# Altium PCB PCB.pcbdoc (part 6 of 6)
Units mil, origin at the board's own origin, x right, y up, seen from the top; angles counter-clockwise.
Board outline 12030 x 6651.89 mil, 2 copper layers (Top Layer, Bottom Layer); 4 components, 257 nets, 480 pads, 2 vias.
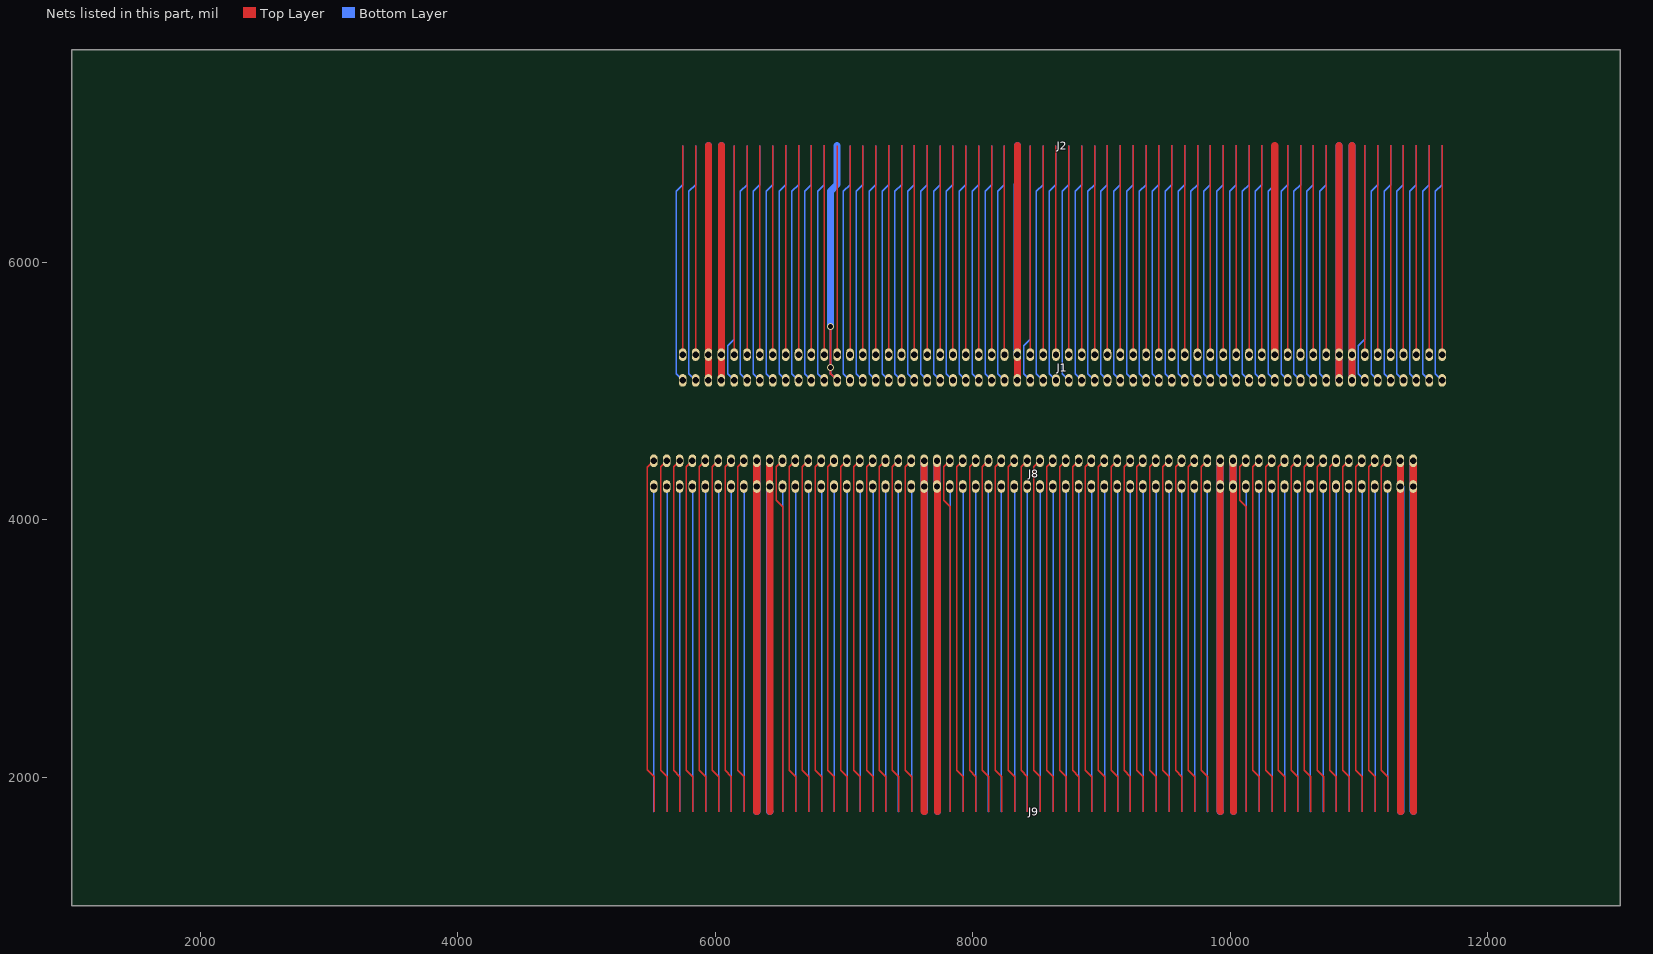
[diagram p6: the nets of this part, all layers, seen from the top]

## Footprints (in the part's own frame and the unit in brackets; to place one, negate y for a bottom-side part, rotate by r counter-clockwise, add the part's x,y. Pads: shape width x height; smd on the part's side, far side on the other; paste and mask are expansions set on the pad) (continued)
I/O_EDGE_CONNECTOR [mil] (continued)
  Bottom Layer region: -2548.35,213.05 -2549.98,213.09 -2549.98,213.09 -2551.62,213.05 -2551.62,213.05 -2553.25,212.93 -2553.25,212.93 -2554.87,212.73 -2554.87,212.73 -2556.49,212.45 -2556.49,212.45 -2558.08,212.09 -2558.08,212.09 -2559.66,211.66 -2559.66,211.66 -2561.21,211.14 -2561.21,211.14 -2562.74,210.56 -2562.74,210.56 -2564.24,209.9 -2564.24,209.9 -2565.7,209.16 -2565.7,209.16 -2567.12,208.36 -2567.12,208.36 -2568.51,207.48 -2568.51,207.48 -2569.85,206.55 -2569.85,206.55 -2571.14,205.54 -2571.14,205.54 -2572.38,204.48 -2572.38,204.48 -2573.57,203.35 -2573.57,203.35 -2574.7,202.17 -2574.7,202.17 -2575.77,200.93 -2575.77,200.93 -2576.78,199.64 -2576.78,199.64 -2577.72,198.31 -2577.72,198.31 -2578.6,196.93 -2578.6,196.93 -2579.41,195.51 -2579.41,195.51 -2580.16,194.05 -2580.16,194.05 -2580.82,192.56 -2580.82,192.56 -2581.42,191.03 -2581.42,191.03 -2581.94,189.48 -2581.94,189.48 -2582.38,187.9 -2582.38,187.9 -2582.74,186.31 -2582.74,186.31 -2583.03,184.7 -2583.03,184.7 -2583.24,183.08 -2583.24,183.08 -2583.37,181.45 -2583.37,181.45 -2583.41,179.84 -2583.41,179.84 -2583.44,179.84 -2583.44,179.84 -2583.44,-213.86 -2583.44,-213.86 -2516.51,-213.86 -2516.51,-213.86 -2516.51,179.84 -2516.51,179.84 -2516.57,181.48 -2516.57,181.48 -2516.69,183.11 -2516.69,183.11 -2516.9,184.73 -2516.9,184.73 -2517.19,186.34 -2517.19,186.34 -2517.56,187.94 -2517.56,187.94 -2518,189.51 -2518,189.51 -2518.52,191.06 -2518.52,191.06 -2519.12,192.58 -2519.12,192.58 -2519.79,194.08 -2519.79,194.08 -2520.53,195.53 -2520.53,195.53 -2521.34,196.95 -2521.34,196.95 -2522.22,198.33 -2522.22,198.33 -2523.17,199.67 -2523.17,199.67 -2524.18,200.95 -2524.18,200.95 -2525.26,202.19 -2525.26,202.19 -2526.39,203.37 -2526.39,203.37 -2527.58,204.49 -2527.58,204.49 -2528.82,205.56 -2528.82,205.56 -2530.11,206.56 -2530.11,206.56 -2531.45,207.5 -2531.45,207.5 -2532.84,208.38 -2532.84,208.38 -2534.26,209.18 -2534.26,209.18 -2535.72,209.91 -2535.72,209.91 -2537.22,210.57 -2537.22,210.57 -2538.75,211.16 -2538.75,211.16 -2540.3,211.67 -2540.3,211.67 -2541.88,212.1 -2541.88,212.1 -2543.48,212.46 -2543.48,212.46 -2545.09,212.74 -2545.09,212.74 -2546.71,212.94 -2546.71,212.94
  Bottom Layer region: -2448.37,212.74 -2450.01,212.78 -2450.01,212.78 -2451.64,212.74 -2451.64,212.74 -2453.28,212.62 -2453.28,212.62 -2454.9,212.42 -2454.9,212.42 -2456.51,212.14 -2456.51,212.14 -2458.11,211.78 -2458.11,211.78 -2459.69,211.34 -2459.69,211.34 -2461.24,210.83 -2461.24,210.83 -2462.77,210.24 -2462.77,210.24 -2464.26,209.58 -2464.26,209.58 -2465.73,208.85 -2465.73,208.85 -2467.15,208.04 -2467.15,208.04 -2468.54,207.17 -2468.54,207.17 -2469.88,206.23 -2469.88,206.23 -2471.16,205.23 -2471.16,205.23 -2472.41,204.16 -2472.41,204.16 -2473.59,203.03 -2473.59,203.03 -2474.72,201.85 -2474.72,201.85 -2475.8,200.62 -2475.8,200.62 -2476.81,199.33 -2476.81,199.33 -2477.75,197.99 -2477.75,197.99 -2478.64,196.61 -2478.64,196.61 -2479.44,195.19 -2479.44,195.19 -2480.19,193.73 -2480.19,193.73 -2480.85,192.24 -2480.85,192.24 -2481.44,190.72 -2481.44,190.72 -2481.97,189.16 -2481.97,189.16 -2482.41,187.59 -2482.41,187.59 -2482.78,185.99 -2482.78,185.99 -2483.06,184.38 -2483.06,184.38 -2483.27,182.76 -2483.27,182.76 -2483.4,181.13 -2483.4,181.13 -2483.45,179.53 -2483.45,179.53 -2483.47,179.53 -2483.47,179.53 -2483.47,-214.18 -2483.47,-214.18 -2416.54,-214.18 -2416.54,-214.18 -2416.54,179.53 -2416.54,179.53 -2416.6,181.16 -2416.6,181.16 -2416.72,182.79 -2416.72,182.79 -2416.93,184.41 -2416.93,184.41 -2417.22,186.03 -2417.22,186.03 -2417.59,187.62 -2417.59,187.62 -2418.03,189.2 -2418.03,189.2 -2418.55,190.74 -2418.55,190.74 -2419.15,192.27 -2419.15,192.27 -2419.82,193.76 -2419.82,193.76 -2420.56,195.22 -2420.56,195.22 -2421.37,196.64 -2421.37,196.64 -2422.25,198.02 -2422.25,198.02 -2423.2,199.35 -2423.2,199.35 -2424.21,200.64 -2424.21,200.64 -2425.28,201.88 -2425.28,201.88 -2426.42,203.05 -2426.42,203.05 -2427.6,204.18 -2427.6,204.18 -2428.84,205.24 -2428.84,205.24 -2430.14,206.25 -2430.14,206.25 -2431.48,207.19 -2431.48,207.19 -2432.87,208.06 -2432.87,208.06 -2434.29,208.86 -2434.29,208.86 -2435.75,209.59 -2435.75,209.59 -2437.25,210.25 -2437.25,210.25 -2438.78,210.84 -2438.78,210.84 -2440.33,211.35 -2440.33,211.35 -2441.91,211.78 -2441.91,211.78 -2443.51,212.14 -2443.51,212.14 -2445.12,212.42 -2445.12,212.42 -2446.74,212.62 -2446.74,212.62
  Bottom Layer region: -2348.37,212.74 -2350.01,212.78 -2350.01,212.78 -2351.64,212.74 -2351.64,212.74 -2353.28,212.62 -2353.28,212.62 -2354.9,212.42 -2354.9,212.42 -2356.51,212.14 -2356.51,212.14 -2358.11,211.78 -2358.11,211.78 -2359.68,211.34 -2359.68,211.34 -2361.24,210.83 -2361.24,210.83 -2362.77,210.24 -2362.77,210.24 -2364.26,209.58 -2364.26,209.58 -2365.73,208.85 -2365.73,208.85 -2367.15,208.04 -2367.15,208.04 -2368.53,207.17 -2368.53,207.17 -2369.87,206.23 -2369.87,206.23 -2371.16,205.23 -2371.16,205.23 -2372.41,204.16 -2372.41,204.16 -2373.59,203.03 -2373.59,203.03 -2374.72,201.85 -2374.72,201.85 -2375.8,200.62 -2375.8,200.62 -2376.81,199.33 -2376.81,199.33 -2377.75,197.99 -2377.75,197.99 -2378.63,196.61 -2378.63,196.61 -2379.44,195.19 -2379.44,195.19 -2380.18,193.73 -2380.18,193.73 -2380.85,192.24 -2380.85,192.24 -2381.44,190.72 -2381.44,190.72 -2381.96,189.16 -2381.96,189.16 -2382.41,187.59 -2382.41,187.59 -2382.77,185.99 -2382.77,185.99 -2383.06,184.38 -2383.06,184.38 -2383.27,182.76 -2383.27,182.76 -2383.4,181.13 -2383.4,181.13 -2383.44,179.53 -2383.44,179.53 -2383.47,179.53 -2383.47,179.53 -2383.47,-214.18 -2383.47,-214.18 -2316.54,-214.18 -2316.54,-214.18 -2316.54,179.53 -2316.54,179.53 -2316.59,181.16 -2316.59,181.16 -2316.72,182.79 -2316.72,182.79 -2316.93,184.41 -2316.93,184.41 -2317.22,186.03 -2317.22,186.03 -2317.59,187.62 -2317.59,187.62 -2318.03,189.2 -2318.03,189.2 -2318.55,190.74 -2318.55,190.74 -2319.15,192.27 -2319.15,192.27 -2319.82,193.76 -2319.82,193.76 -2320.56,195.22 -2320.56,195.22 -2321.37,196.64 -2321.37,196.64 -2322.25,198.02 -2322.25,198.02 -2323.2,199.35 -2323.2,199.35 -2324.21,200.64 -2324.21,200.64 -2325.28,201.88 -2325.28,201.88 -2326.41,203.05 -2326.41,203.05 -2327.6,204.18 -2327.6,204.18 -2328.84,205.24 -2328.84,205.24 -2330.14,206.25 -2330.14,206.25 -2331.48,207.19 -2331.48,207.19 -2332.86,208.06 -2332.86,208.06 -2334.29,208.86 -2334.29,208.86 -2335.75,209.59 -2335.75,209.59 -2337.25,210.25 -2337.25,210.25 -2338.78,210.84 -2338.78,210.84 -2340.33,211.35 -2340.33,211.35 -2341.91,211.78 -2341.91,211.78 -2343.5,212.14 -2343.5,212.14 -2345.12,212.42 -2345.12,212.42 -2346.74,212.62 -2346.74,212.62
  Bottom Layer region: -2248.38,212.74 -2250.01,212.78 -2250.01,212.78 -2251.65,212.74 -2251.65,212.74 -2253.28,212.62 -2253.28,212.62 -2254.9,212.42 -2254.9,212.42 -2256.51,212.14 -2256.51,212.14 -2258.11,211.78 -2258.11,211.78 -2259.69,211.34 -2259.69,211.34 -2261.24,210.83 -2261.24,210.83 -2262.77,210.24 -2262.77,210.24 -2264.26,209.58 -2264.26,209.58 -2265.73,208.85 -2265.73,208.85 -2267.15,208.04 -2267.15,208.04 -2268.54,207.17 -2268.54,207.17 -2269.88,206.23 -2269.88,206.23 -2271.17,205.23 -2271.17,205.23 -2272.41,204.16 -2272.41,204.16 -2273.59,203.03 -2273.59,203.03 -2274.73,201.85 -2274.73,201.85 -2275.8,200.62 -2275.8,200.62 -2276.81,199.33 -2276.81,199.33 -2277.75,197.99 -2277.75,197.99 -2278.63,196.61 -2278.63,196.61 -2279.44,195.19 -2279.44,195.19 -2280.18,193.73 -2280.18,193.73 -2280.85,192.24 -2280.85,192.24 -2281.45,190.72 -2281.45,190.72 -2281.97,189.16 -2281.97,189.16 -2282.41,187.59 -2282.41,187.59 -2282.77,185.99 -2282.77,185.99 -2283.06,184.38 -2283.06,184.38 -2283.27,182.76 -2283.27,182.76 -2283.4,181.13 -2283.4,181.13 -2283.44,179.53 -2283.44,179.53 -2283.47,179.53 -2283.47,179.53 -2283.47,-214.18 -2283.47,-214.18 -2216.55,-214.18 -2216.55,-214.18 -2216.55,179.53 -2216.55,179.53 -2216.59,181.16 -2216.59,181.16 -2216.72,182.79 -2216.72,182.79 -2216.93,184.41 -2216.93,184.41 -2217.22,186.03 -2217.22,186.03 -2217.59,187.62 -2217.59,187.62 -2218.03,189.2 -2218.03,189.2 -2218.55,190.74 -2218.55,190.74 -2219.15,192.27 -2219.15,192.27 -2219.82,193.76 -2219.82,193.76 -2220.56,195.22 -2220.56,195.22 -2221.37,196.64 -2221.37,196.64 -2222.25,198.02 -2222.25,198.02 -2223.2,199.35 -2223.2,199.35 -2224.21,200.64 -2224.21,200.64 -2225.29,201.88 -2225.29,201.88 -2226.42,203.05 -2226.42,203.05 -2227.61,204.18 -2227.61,204.18 -2228.85,205.24 -2228.85,205.24 -2230.14,206.25 -2230.14,206.25 -2231.48,207.19 -2231.48,207.19 -2232.87,208.06 -2232.87,208.06 -2234.29,208.86 -2234.29,208.86 -2235.75,209.59 -2235.75,209.59 -2237.25,210.25 -2237.25,210.25 -2238.78,210.84 -2238.78,210.84 -2240.33,211.35 -2240.33,211.35 -2241.91,211.78 -2241.91,211.78 -2243.51,212.14 -2243.51,212.14 -2245.12,212.42 -2245.12,212.42 -2246.74,212.62 -2246.74,212.62
  Bottom Layer region: -2148.38,212.74 -2150.01,212.78 -2150.01,212.78 -2151.65,212.74 -2151.65,212.74 -2153.28,212.62 -2153.28,212.62 -2154.9,212.42 -2154.9,212.42 -2156.52,212.14 -2156.52,212.14 -2158.11,211.78 -2158.11,211.78 -2159.69,211.34 -2159.69,211.34 -2161.24,210.83 -2161.24,210.83 -2162.77,210.24 -2162.77,210.24 -2164.27,209.58 -2164.27,209.58 -2165.73,208.85 -2165.73,208.85 -2167.15,208.04 -2167.15,208.04 -2168.54,207.17 -2168.54,207.17 -2169.88,206.23 -2169.88,206.23 -2171.17,205.23 -2171.17,205.23 -2172.41,204.16 -2172.41,204.16 -2173.6,203.03 -2173.6,203.03 -2174.73,201.85 -2174.73,201.85 -2175.8,200.62 -2175.8,200.62 -2176.81,199.33 -2176.81,199.33 -2177.75,197.99 -2177.75,197.99 -2178.64,196.61 -2178.64,196.61 -2179.45,195.19 -2179.45,195.19 -2180.19,193.73 -2180.19,193.73 -2180.85,192.24 -2180.85,192.24 -2181.45,190.72 -2181.45,190.72 -2181.97,189.16 -2181.97,189.16 -2182.41,187.59 -2182.41,187.59 -2182.78,185.99 -2182.78,185.99 -2183.06,184.38 -2183.06,184.38 -2183.27,182.76 -2183.27,182.76 -2183.4,181.13 -2183.4,181.13 -2183.45,179.53 -2183.45,179.53 -2183.48,179.53 -2183.48,179.53 -2183.48,-214.18 -2183.48,-214.18 -2116.55,-214.18 -2116.55,-214.18 -2116.55,179.53 -2116.55,179.53 -2116.6,181.16 -2116.6,181.16 -2116.73,182.79 -2116.73,182.79 -2116.93,184.41 -2116.93,184.41 -2117.22,186.03 -2117.22,186.03 -2117.59,187.62 -2117.59,187.62 -2118.03,189.2 -2118.03,189.2 -2118.56,190.74 -2118.56,190.74 -2119.15,192.27 -2119.15,192.27 -2119.82,193.76 -2119.82,193.76 -2120.56,195.22 -2120.56,195.22 -2121.37,196.64 -2121.37,196.64 -2122.25,198.02 -2122.25,198.02 -2123.2,199.35 -2123.2,199.35 -2124.21,200.64 -2124.21,200.64 -2125.29,201.88 -2125.29,201.88 -2126.42,203.05 -2126.42,203.05 -2127.61,204.18 -2127.61,204.18 -2128.85,205.24 -2128.85,205.24 -2130.14,206.25 -2130.14,206.25 -2131.48,207.19 -2131.48,207.19 -2132.87,208.06 -2132.87,208.06 -2134.29,208.86 -2134.29,208.86 -2135.75,209.59 -2135.75,209.59 -2137.25,210.25 -2137.25,210.25 -2138.78,210.84 -2138.78,210.84 -2140.33,211.35 -2140.33,211.35 -2141.91,211.78 -2141.91,211.78 -2143.51,212.14 -2143.51,212.14 -2145.12,212.42 -2145.12,212.42 -2146.74,212.62 -2146.74,212.62
  Bottom Layer region: -2048.36,213.04 -2049.99,213.09 -2049.99,213.09 -2051.63,213.04 -2051.63,213.04 -2053.26,212.92 -2053.26,212.92 -2054.88,212.72 -2054.88,212.72 -2056.49,212.44 -2056.49,212.44 -2058.09,212.08 -2058.09,212.08 -2059.67,211.65 -2059.67,211.65 -2061.22,211.14 -2061.22,211.14 -2062.75,210.55 -2062.75,210.55 -2064.25,209.89 -2064.25,209.89 -2065.71,209.15 -2065.71,209.15 -2067.13,208.35 -2067.13,208.35 -2068.52,207.48 -2068.52,207.48 -2069.86,206.54 -2069.86,206.54 -2071.15,205.53 -2071.15,205.53 -2072.39,204.47 -2072.39,204.47 -2073.58,203.34 -2073.58,203.34 -2074.71,202.16 -2074.71,202.16 -2075.78,200.92 -2075.78,200.92 -2076.79,199.63 -2076.79,199.63 -2077.73,198.3 -2077.73,198.3 -2078.61,196.92 -2078.61,196.92 -2079.42,195.5 -2079.42,195.5 -2080.16,194.04 -2080.16,194.04 -2080.83,192.55 -2080.83,192.55 -2081.43,191.02 -2081.43,191.02 -2081.95,189.47 -2081.95,189.47 -2082.39,187.9 -2082.39,187.9 -2082.75,186.3 -2082.75,186.3 -2083.04,184.69 -2083.04,184.69 -2083.25,183.07 -2083.25,183.07 -2083.38,181.44 -2083.38,181.44 -2083.42,179.83 -2083.42,179.83 -2083.45,179.83 -2083.45,179.83 -2083.45,-213.87 -2083.45,-213.87 -2016.52,-213.87 -2016.52,-213.87 -2016.52,179.83 -2016.52,179.83 -2016.58,181.47 -2016.58,181.47 -2016.7,183.1 -2016.7,183.1 -2016.91,184.72 -2016.91,184.72 -2017.2,186.33 -2017.2,186.33 -2017.57,187.93 -2017.57,187.93 -2018.01,189.5 -2018.01,189.5 -2018.53,191.05 -2018.53,191.05 -2019.13,192.58 -2019.13,192.58 -2019.8,194.07 -2019.8,194.07 -2020.54,195.53 -2020.54,195.53 -2021.35,196.95 -2021.35,196.95 -2022.23,198.32 -2022.23,198.32 -2023.18,199.66 -2023.18,199.66 -2024.19,200.95 -2024.19,200.95 -2025.27,202.18 -2025.27,202.18 -2026.4,203.36 -2026.4,203.36 -2027.59,204.49 -2027.59,204.49 -2028.83,205.55 -2028.83,205.55 -2030.12,206.56 -2030.12,206.56 -2031.46,207.49 -2031.46,207.49 -2032.85,208.37 -2032.85,208.37 -2034.27,209.17 -2034.27,209.17 -2035.73,209.9 -2035.73,209.9 -2037.23,210.56 -2037.23,210.56 -2038.76,211.15 -2038.76,211.15 -2040.31,211.66 -2040.31,211.66 -2041.89,212.09 -2041.89,212.09 -2043.49,212.45 -2043.49,212.45 -2045.1,212.73 -2045.1,212.73 -2046.72,212.93 -2046.72,212.93
LISA-120 [mm]
  oval 1.5x2.5 hole 1.27: 1(-0.841,0) 2(-0.841,5.08) 3(1.699,0) 4(1.699,5.08) 5(4.239,0) 6(4.239,5.08) 7(6.779,0) 8(6.779,5.08) 9(9.319,0) 10(9.319,5.08) 11(11.859,0) 12(11.859,5.08) 13(14.399,0) 14(14.399,5.08) 15(16.939,0) 16(16.939,5.08) 17(19.479,0) 18(19.479,5.08) 19(22.019,0) 20(22.019,5.08) 21(24.559,0) 22(24.559,5.08) 23(27.099,0) 24(27.099,5.08) 25(29.639,0) 26(29.639,5.08) 27(32.179,0) 28(32.179,5.08) 29(34.719,0) 30(34.719,5.08) 31(37.259,0) 32(37.259,5.08) 33(39.799,0) 34(39.799,5.08) 35(42.339,0) 36(42.339,5.08) 37(44.879,0) 38(44.879,5.08) 39(47.419,0) 40(47.419,5.08) 41(49.959,0) 42(49.959,5.08) 43(52.499,0) 44(52.499,5.08) 45(55.039,0) 46(55.039,5.08) 47(57.579,0) 48(57.579,5.08) 49(60.119,0) 50(60.119,5.08) 51(62.659,0) 52(62.659,5.08) 53(65.198,0) 54(65.198,5.08) 55(67.738,0) 56(67.738,5.08) 57(70.278,0) 58(70.278,5.08) 59(72.818,0) 60(72.818,5.08) 61(75.358,0) 62(75.358,5.08) 63(77.898,0) 64(77.898,5.08) 65(80.438,0) 66(80.438,5.08) 67(82.978,0) 68(82.978,5.08) 69(85.518,0) 70(85.518,5.08) 71(88.058,0) 72(88.058,5.08) 73(90.598,0) 74(90.598,5.08) 75(93.138,0) 76(93.138,5.08) 77(95.678,0) 78(95.678,5.08) 79(98.218,0) 80(98.218,5.08) 81(100.758,0) 82(100.758,5.08) 83(103.298,0) 84(103.298,5.08) 85(105.838,0) 86(105.838,5.08) 87(108.378,0) 88(108.378,5.08) 89(110.918,0) 90(110.918,5.08) 91(113.458,0) 92(113.458,5.08) 93(115.998,0) 94(115.998,5.08) 95(118.538,0) 96(118.538,5.08) 97(121.078,0) 98(121.078,5.08) 99(123.618,0) 100(123.618,5.08) 101(126.158,0) 102(126.158,5.08) 103(128.698,0) 104(128.698,5.08) 105(131.238,0) 106(131.238,5.08) 107(133.778,0) 108(133.778,5.08) 109(136.318,0) 110(136.318,5.08) 111(138.858,0) 112(138.858,5.08) 113(141.398,0) 114(141.398,5.08) 115(143.938,0) 116(143.938,5.08) 117(146.478,0) 118(146.478,5.08) 119(149.018,0) 120(149.018,5.08)
  silkscreen extent -5.49,-2.56 153.67,7.64

## Via types
v1: diameter 55.12, hole 39.37, Top Layer to Bottom Layer, tented both sides, 2 vias

## Nets (pads, with @x,y where several pads share a name; then routed paths per layer and width w, separated by ;. In a path a pad name is that pad's centre, name@x,y a point inside that pad or via, vN(x,y) a via of type N, cw(c..) or ccw(c..) an arc to the next point about the centre after c; other vN are vias at no path point)
EDGE_01: J1.1 J2.1 | length 1625.1
  Top Layer w10: J1.1@11646.3,5283.28 11646.3,5329.73 J2.1@11646.3,6908.37
EDGE_02: J1.2 J2.2 | length 1867.8
  Bottom Layer w10: 11646.2,6908.57 11646.2,6604.37 11595,6553.17 11595,5134.57 J1.2@11646.3,5083.28
EDGE_03: J1.3 J2.3 | length 1625.1
  Top Layer w10: J1.3@11546.3,5283.28 11546.3,6908.35
EDGE_04: J1.4 J2.4 | length 1867.8
  Bottom Layer w10: 11546.2,6908.57 11546.2,6604.37 11495,6553.17 11495,5134.57 J1.4@11546.3,5083.28
EDGE_05: J1.5 J2.5 | length 1625.1
  Top Layer w10: J1.5@11446.3,5283.28 J2.5@11446.27,6908.37
EDGE_06: J1.6 J2.6 | length 1867.8
  Bottom Layer w10: 11446.2,6908.57 11446.2,6604.37 11395,6553.17 11395,5134.57 J1.6@11446.3,5083.28
EDGE_07: J1.7 J2.7 | length 1625.1
  Top Layer w10: J1.7@11346.3,5283.28 J2.7@11346.27,6908.37
EDGE_08: J1.8 J2.8 | length 1867.8
  Bottom Layer w10: 11346.2,6908.57 11346.2,6604.37 11295,6553.17 11295,5134.57 J1.8@11346.3,5083.28
EDGE_09: J1.9 J2.9 | length 1625.1
  Top Layer w10: J1.9@11246.3,5283.28 J2.9@11246.27,6908.37
EDGE_10: J1.10 J2.10 | length 1867.8
  Bottom Layer w10: 11246.2,6908.57 11246.2,6604.37 11195,6553.17 11195,5134.57 J1.10@11246.3,5083.28
EDGE_11: J1.11 J2.11 | length 1625.4
  Top Layer w10: J1.11@11146.3,5283.28 J2.11@11146.31,6908.68
EDGE_12: J1.12 J2.12 | length 1868.1
  Bottom Layer w10: 11146.2,6908.87 11146.2,6604.37 11095,6553.17 11095,5134.57 J1.12@11146.3,5083.28
EDGE_13: J1.13 J2.13 | length 1625.4
  Top Layer w10: J1.13@11046.3,5283.28 J2.13@11046.3,6908.68
EDGE_14: J1.14 J2.14 | length 1868.1
  Bottom Layer w10: 11046.2,6908.87 11046.2,5404.37 10995,5353.17 10995,5134.57 J1.14@11046.3,5083.28
EDGE_16: J1.15 J1.16 J2.15 J2.16 | length 3651
  Top Layer w55.12: J1.16@10946.3,5083.28 J1.15@10946.3,5283.28 J2.15@10946.31,6908.68
  Bottom Layer w55.12: 10946.2,6908.87 J1.15@10946.3,5283.28 ; J1.16@10946.3,5083.28 J1.15@10946.3,5283.28
EDGE_18: J1.17 J1.18 J2.17 J2.18 | length 3651
  Top Layer w55.12: J1.18@10846.3,5083.28 J1.17@10846.3,5283.28 J2.17@10846.31,6908.68
  Bottom Layer w55.12: 10846.2,6908.87 J1.17@10846.3,5283.28 ; J1.18@10846.3,5083.28 J1.17@10846.3,5283.28
EDGE_19: J1.19 J2.19 | length 1625.1
  Top Layer w10: J1.19@10746.3,5283.28 J2.19@10746.28,6908.38
EDGE_20: J1.20 J2.20 | length 1867.8
  Bottom Layer w10: 10746.2,6908.57 10746.2,6604.37 10695,6553.17 10695,5134.57 J1.20@10746.3,5083.28
EDGE_21: J1.21 J2.21 | length 1625.1
  Top Layer w10: J1.21@10646.3,5283.28 J2.21@10646.28,6908.38
EDGE_22: J1.22 J2.22 | length 1867.8
  Bottom Layer w10: 10646.2,6908.57 10646.2,6604.37 10595,6553.17 10595,5134.57 J1.22@10646.3,5083.28
EDGE_23: J1.23 J2.23 | length 1625.1
  Top Layer w10: J2.23@10546.26,6908.38 J1.23@10546.3,5283.28 J1.23@10546.3,5283.28
EDGE_24: J1.24 J2.24 | length 1867.8
  Bottom Layer w10: 10546.2,6908.57 10546.2,6604.37 10495,6553.17 10495,5134.57 J1.24@10546.3,5083.28
EDGE_25: J1.25 J2.25 | length 1625.1
  Top Layer w10: J2.25@10446.26,6908.38 J1.25@10446.3,5283.28 J1.25@10446.3,5283.28
EDGE_26: J1.26 J2.26 | length 1867.8
  Bottom Layer w10: 10446.2,6908.57 10446.2,6604.37 10395,6553.17 10395,5134.57 J1.26@10446.3,5083.28
EDGE_27: J1.27 J2.27 | length 1625.1
  Top Layer w55.12: J1.27@10346.3,5283.28 J2.27@10346.26,6908.38
EDGE_28: J1.28 J2.28 | length 1867.8
  Bottom Layer w10: 10346.2,6908.57 10346.2,6604.37 10295,6553.17 10295,5134.57 J1.28@10346.3,5083.28
EDGE_29: J1.29 J2.29 | length 1625.1
  Top Layer w10: J2.29@10246.26,6908.38 J1.29@10246.3,5283.28 J1.29@10246.3,5283.28
EDGE_30: J1.30 J2.30 | length 1867.8
  Bottom Layer w10: 10246.2,6908.57 10246.2,6604.37 10195,6553.17 10195,5134.57 J1.30@10246.3,5083.28
EDGE_31: J1.31 J2.31 | length 1625.4
  Top Layer w10: J1.31@10146.3,5283.28 J2.31@10146.29,6908.69
EDGE_32: J1.32 J2.32 | length 1868.1
  Bottom Layer w10: J2.32@10146.23,6908.86 10146.2,6604.37 10095,6553.17 10095,5134.57 J1.32@10146.3,5083.28
EDGE_33: J1.33 J2.33 | length 1625.4
  Top Layer w10: J1.33@10046.3,5283.28 J2.33@10046.29,6908.69
EDGE_34: J1.34 J2.34 | length 1868.1
  Bottom Layer w10: J2.34@10046.23,6908.86 10046.2,6604.37 9995,6553.17 9995,5134.57 J1.34@10046.3,5083.28
EDGE_35: J1.35 J2.35 | length 1625.4
  Top Layer w10: J1.35@9946.3,5283.28 J2.35@9946.29,6908.69
EDGE_36: J1.36 J2.36 | length 1868.1
  Bottom Layer w10: J2.36@9946.23,6908.86 9946.2,6604.37 9895,6553.17 9895,5134.57 J1.36@9946.3,5083.28
EDGE_37: J1.37 J2.37 | length 1625.4
  Top Layer w10: J1.37@9846.3,5283.28 J2.37@9846.29,6908.69
EDGE_38: J1.38 J2.38 | length 1868.1
  Bottom Layer w10: J2.38@9846.23,6908.86 9846.2,6604.37 9795,6553.17 9795,5134.57 J1.38@9846.3,5083.28
EDGE_39: J1.39 J2.39 | length 1625.1
  Top Layer w10: J1.39@9746.3,5283.28 J2.39@9746.27,6908.39
EDGE_40: J1.40 J2.40 | length 1867.8
  Bottom Layer w10: J2.40@9746.2,6908.55 9746.2,6604.37 9695,6553.17 9695,5134.57 J1.40@9746.3,5083.28
EDGE_41: J1.41 J2.41 | length 1625.1
  Top Layer w10: J1.41@9646.3,5283.28 J2.41@9646.27,6908.39
EDGE_42: J1.42 J2.42 | length 1867.8
  Bottom Layer w10: J2.42@9646.2,6908.55 9646.2,6604.37 9595,6553.17 9595,5134.57 J1.42@9646.3,5083.28
EDGE_43: J1.43 J2.43 | length 1625.1
  Top Layer w10: J1.43@9546.3,5283.28 J2.43@9546.27,6908.39
EDGE_44: J1.44 J2.44 | length 1867.8
  Bottom Layer w10: J2.44@9546.2,6908.55 9546.2,6604.37 9495,6553.17 9495,5134.57 J1.44@9546.3,5083.28
EDGE_45: J1.45 J2.45 | length 1625.1
  Top Layer w10: J1.45@9446.3,5283.28 J2.45@9446.28,6908.39
EDGE_46: J1.46 J2.46 | length 1867.8
  Bottom Layer w10: J2.46@9446.21,6908.55 9446.2,6604.37 9395,6553.17 9395,5134.57 J1.46@9446.3,5083.28
EDGE_47: J1.47 J2.47 | length 1625.4
  Top Layer w10: J1.47@9346.3,5283.28 J2.47@9346.31,6908.69
EDGE_48: J1.48 J2.48 | length 1868.1
  Bottom Layer w10: J2.48@9346.24,6908.86 9346.2,6604.37 9295,6553.17 9295,5134.57 J1.48@9346.3,5083.28
EDGE_49: J1.49 J2.49 | length 1625.4
  Top Layer w10: J1.49@9246.3,5283.28 J2.49@9246.31,6908.69
EDGE_50: J1.50 J2.50 | length 1868.1
  Bottom Layer w10: J2.50@9246.24,6908.86 9246.2,6604.37 9195,6553.17 9195,5134.57 J1.50@9246.3,5083.28
EDGE_51: J1.51 J2.51 | length 1625.4
  Top Layer w10: J1.51@9146.3,5283.28 J2.51@9146.31,6908.69
EDGE_52: J1.52 J2.52 | length 1868.1
  Bottom Layer w10: J2.52@9146.24,6908.86 9146.2,6604.37 9095,6553.17 9095,5134.57 J1.52@9146.3,5083.28
EDGE_53: J1.53 J2.53 | length 1625.4
  Top Layer w10: J1.53@9046.31,5283.28 J2.53@9046.31,6908.69
EDGE_54: J1.54 J2.54 | length 1868.1
  Bottom Layer w10: J2.54@9046.24,6908.86 9046.2,6604.37 8995,6553.17 8995,5134.57 J1.54@9046.31,5083.28
EDGE_55: J1.55 J2.55 | length 1624.5
  Top Layer w10: J2.55@8946.22,6907.75 8946.22,5283.38 J1.55@8946.31,5283.28
EDGE_56: J1.56 J2.56 | length 1867.1
  Bottom Layer w10: 8946.1,6907.97 8946.1,6604.27 8895,6553.17 8895,5134.57 J1.56@8946.31,5083.28
EDGE_57: J1.57 J2.57 | length 1624.5
  Top Layer w10: J2.57@8846.22,6907.75 8846.22,5283.38 J1.57@8846.31,5283.28
EDGE_58: J1.58 J2.58 | length 1867.1
  Bottom Layer w10: 8846.1,6907.97 8846.1,6604.27 8795,6553.17 8795,5134.57 J1.58@8846.31,5083.28